# Altium PCB mycarV2.PcbDoc (part 2 of 5) (continued)
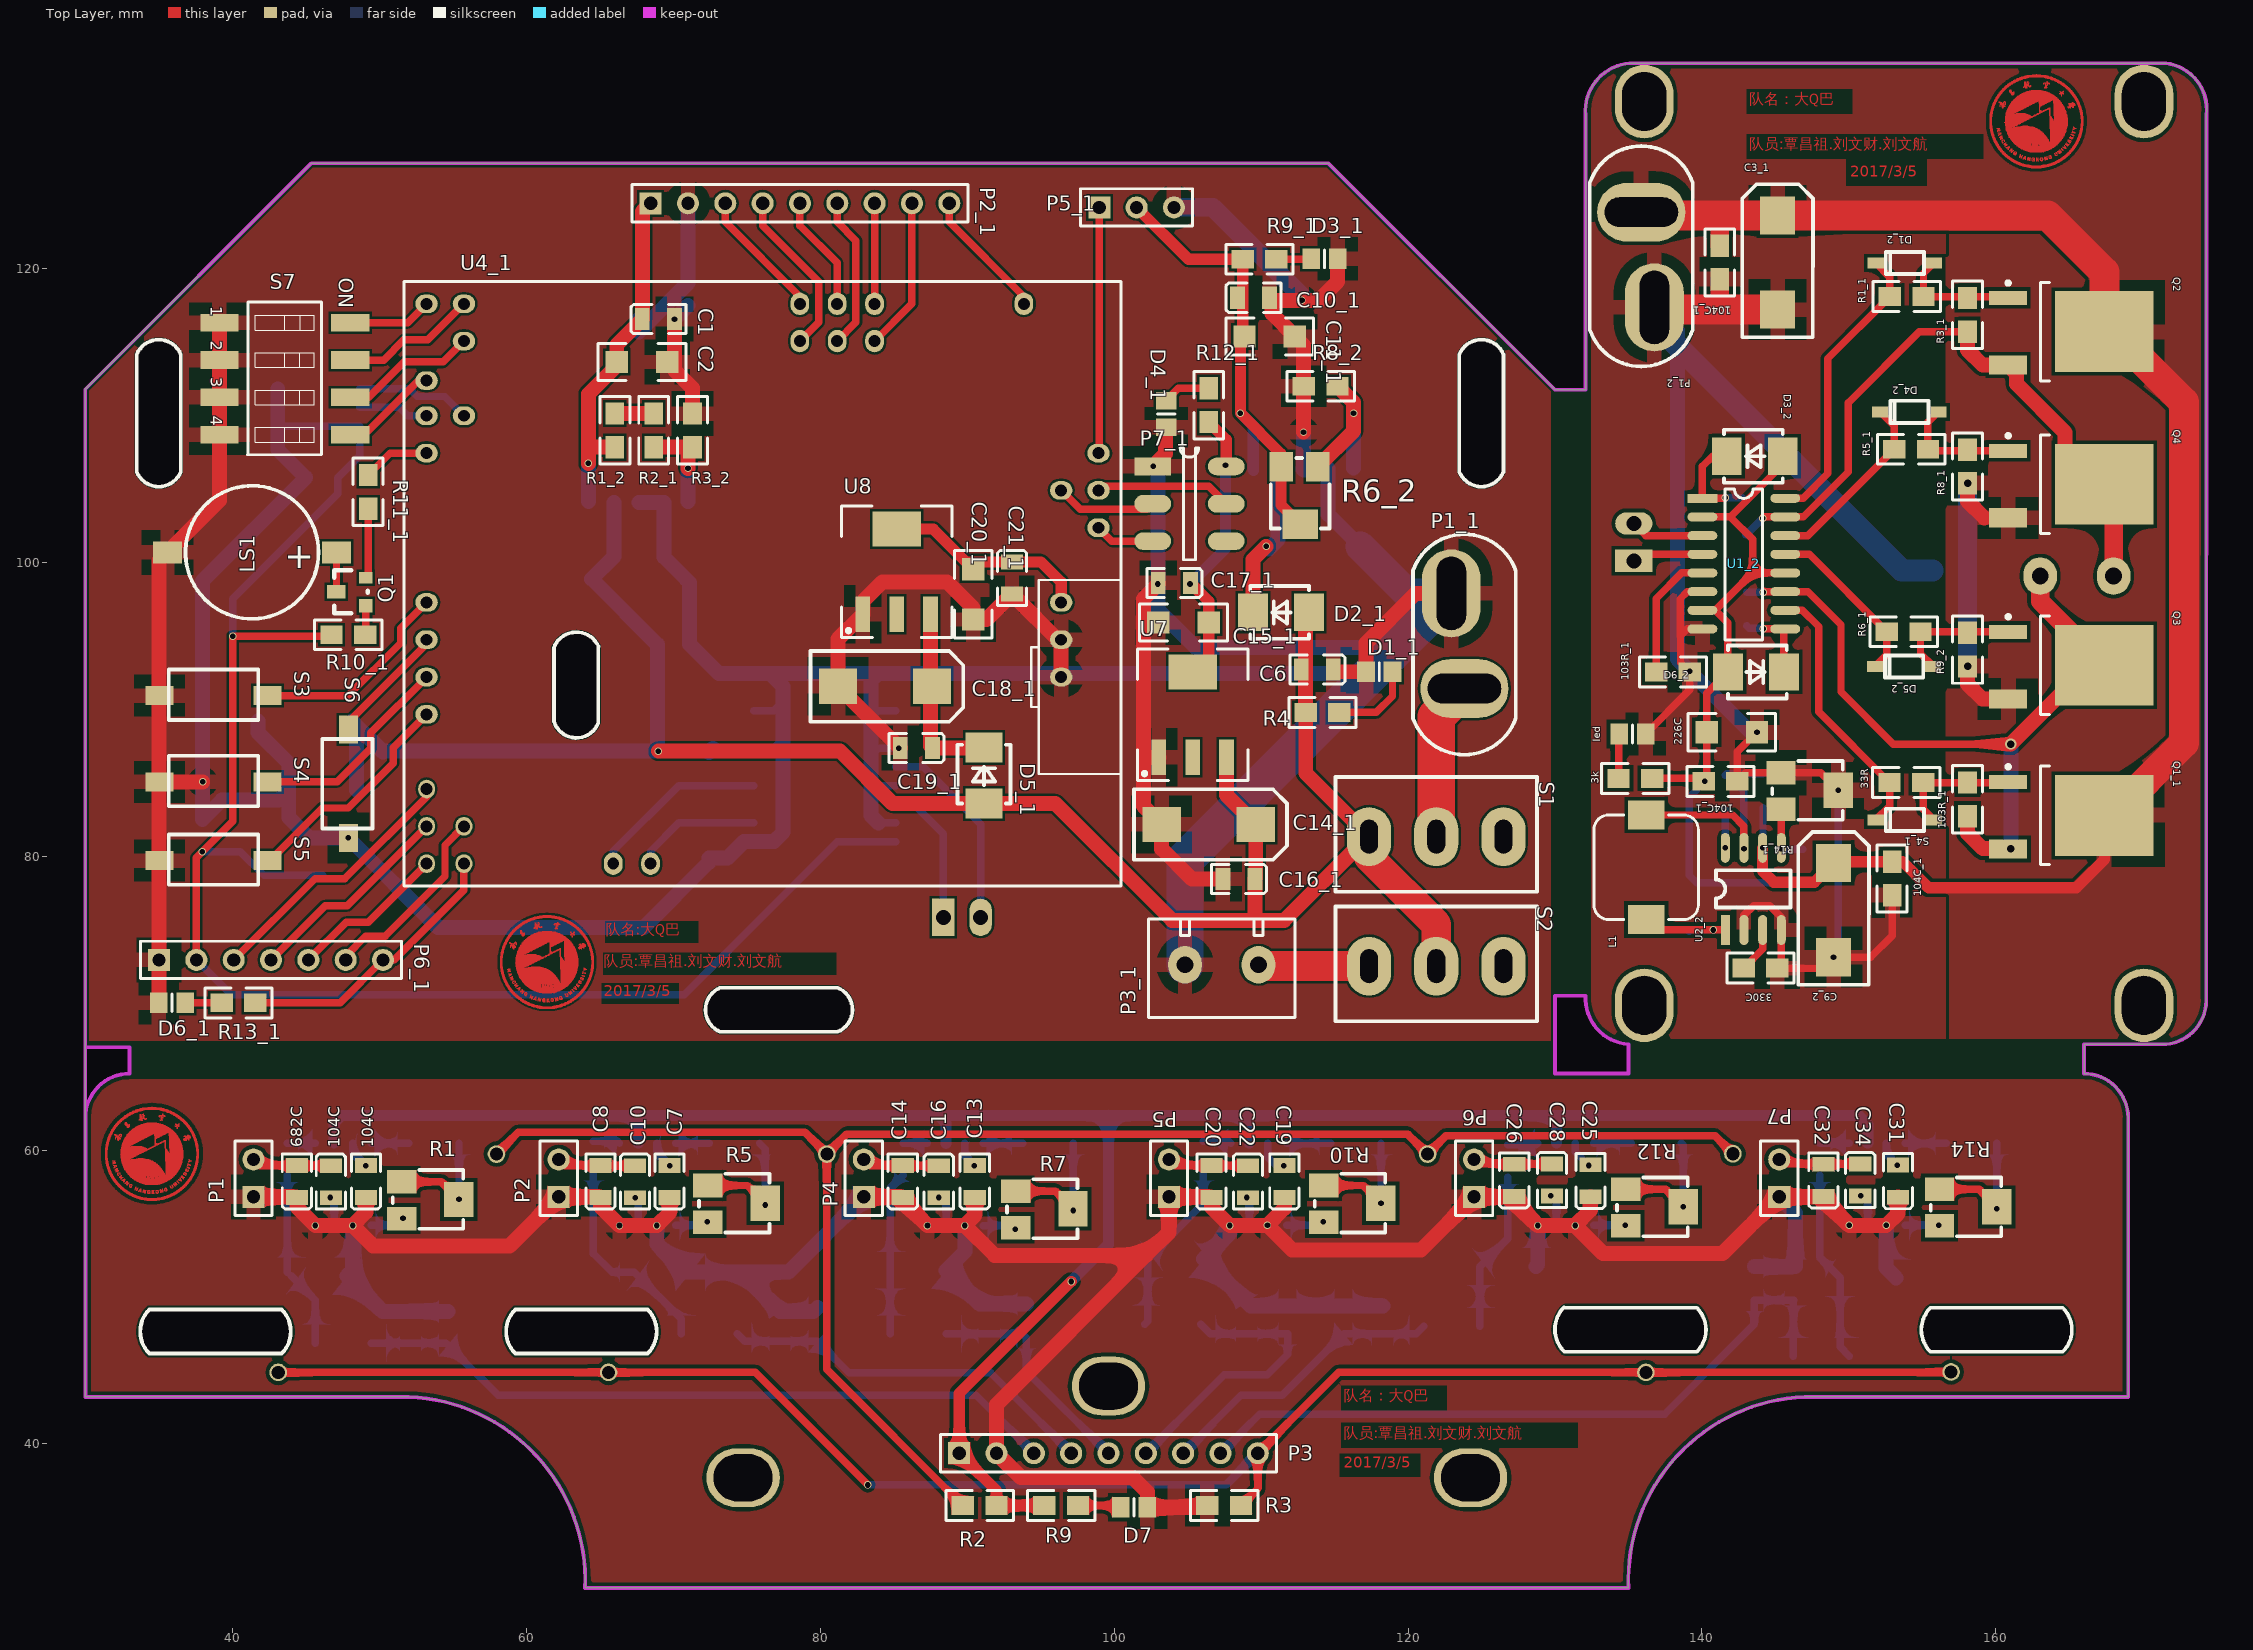
[diagram p0: Top Layer view]
## Nets (pads, with @x,y where several pads share a name; then routed paths per layer and width w, separated by ;. In a path a pad name is that pad's centre, name@x,y a point inside that pad or via, vN(x,y) a via of type N, cw(c..) or ccw(c..) an arc to the next point about the centre after c; other vN are vias at no path point) (continued)
; 34.008,57.173 34.033,57.173 ; 34.008,57.199 34.033,57.199 ; 34.008,62.126 34.16,62.126 ; 34.008,62.152 34.033,62.152 ; 34.008,62.888 35.049,62.888 ; 34.033,61.822 34.998,61.822 ; 34.033,62.101 34.109,62.101 ; 34.059,57.148 34.109,57.148 ; 34.059,57.173 34.109,57.173 ; 34.059,57.199 34.109,57.199 ; 34.059,57.224 34.109,57.224 ; 34.084,57.25 34.135,57.25 ; 34.084,57.275 34.135,57.275 ; 34.084,57.681 34.922,57.681 ; 34.109,62.152 34.186,62.152 ; 34.109,62.177 34.16,62.177 ; 34.186,56.589 34.846,56.589 ; 34.186,57.656 34.846,57.656 ; 34.186,58.088 34.414,58.088 ; 34.186,61.847 34.846,61.847 ; 34.211,57.097 34.262,57.097 ; 34.211,57.123 34.262,57.123 ; 34.211,57.148 34.262,57.148 ; 34.211,57.173 34.236,57.173 ; 34.211,57.199 34.262,57.199 ; 34.211,57.224 34.262,57.224 ; 34.211,58.062 34.363,58.062 ; 34.211,58.113 34.414,58.113 ; 34.211,58.139 34.363,58.139 ; 34.211,58.164 34.313,58.164 ; 34.211,58.189 34.313,58.189 ; 34.211,58.215 34.313,58.215 ; 34.211,58.24 34.313,58.24 ; 34.211,58.266 34.338,58.266 ; 34.236,57.072 34.414,57.072 ; 34.236,57.25 34.389,57.25 ; 34.236,58.037 34.313,58.037 ; 34.236,62.914 34.821,62.914 ; 34.262,57.046 34.389,57.046 ; 34.262,57.275 34.363,57.275 ; 34.262,60.094 34.363,60.094 ; 34.313,57.148 34.414,57.148 ; 34.313,57.173 34.338,57.173 ; 34.313,60.12 34.44,60.12 ; 34.338,57.123 34.414,57.123 ; 34.363,57.097 34.414,57.097 ; 34.363,57.224 34.414,57.224 ; 34.363,58.037 34.567,58.037 ; 34.363,58.189 34.44,58.189 ; 34.363,58.215 34.44,58.215 ; 34.363,58.24 34.44,58.24 ; 34.363,58.266 34.414,58.266 ; 34.363,60.145 34.49,60.145 ; 34.389,60.171 34.516,60.171 ; 34.414,58.139 34.44,58.139 ; 34.414,58.164 34.44,58.164 ; 34.44,58.062 34.643,58.062 ; 34.44,60.196 34.567,60.196 ; 34.465,58.088 34.668,58.088 ; 34.465,58.113 34.668,58.113 ; 34.465,58.266 34.617,58.266 ; 34.49,58.139 34.668,58.139 ; 34.49,58.189 34.567,58.189 ; 34.49,58.24 34.592,58.24 ; 34.516,57.046 34.567,57.046 ; 34.516,57.072 34.567,57.072 ; 34.516,57.097 34.567,57.097 ; 34.516,57.123 34.643,57.123 ; 34.516,57.148 34.617,57.148 ; 34.516,57.173 34.617,57.173 ; 34.516,57.199 34.643,57.199 ; 34.516,57.224 34.567,57.224 ; 34.516,57.25 34.567,57.25 ; 34.516,58.164 34.668,58.164 ; 34.516,58.215 34.567,58.215 ; 34.516,60.221 34.643,60.221 ; 34.516,62.939 34.541,62.939 ; 34.567,60.247 34.694,60.247 ; 34.592,58.189 34.617,58.189 ; 34.592,60.272 34.719,60.272 ; 34.617,57.072 34.668,57.072 ; 34.617,57.097 34.668,57.097 ; 34.617,57.224 34.643,57.224 ; 34.617,57.25 34.668,57.25 ; 34.617,58.215 34.922,58.215 ; 34.617,58.24 34.643,58.24 ; 34.643,57.046 34.694,57.046 ; 34.643,58.037 34.846,58.037 ; 34.643,60.298 34.77,60.298 ; 34.668,58.24 34.897,58.24 ; 34.694,61.009 35.227,61.009 ; 34.694,61.034 35.303,61.034 ; 34.694,61.06 35.354,61.06 ; 34.694,61.085 35.405,61.085 ; 34.694,61.11 35.456,61.11 ; 34.694,61.136 35.506,61.136 ; 34.719,58.062 34.795,58.062 ; 34.719,58.189 34.922,58.189 ; 34.719,60.323 34.821,60.323 ; 34.719,60.348 34.897,60.348 ; 34.719,60.374 34.922,60.374 ; 34.719,60.399 34.973,60.399 ; 34.719,60.425 35.024,60.425 ; 34.719,60.45 34.897,60.45 ; 34.719,60.475 34.821,60.475 ; 34.719,60.501 34.795,60.501 ; 34.719,60.526 34.77,60.526 ; 34.719,60.552 34.77,60.552 ; 34.719,60.577 34.77,60.577 ; 34.719,60.602 34.77,60.602 ; 34.719,60.628 34.77,60.628 ; 34.719,60.653 34.77,60.653 ; 34.719,60.679 34.77,60.679 ; 34.719,60.704 34.77,60.704 ; 34.719,60.729 34.795,60.729 ; 34.719,60.755 34.795,60.755 ; 34.719,60.78 34.795,60.78 ; 34.719,60.806 34.846,60.806 ; 34.719,60.831 34.897,60.831 ; 34.719,60.856 34.948,60.856 ; 34.719,60.882 34.998,60.882 ; 34.719,60.907 35.049,60.907 ; 34.719,60.933 35.1,60.933 ; 34.719,60.958 35.151,60.958 ; 34.719,60.983 35.202,60.983 ; 34.744,58.088 34.821,58.088 ; 34.744,58.113 34.846,58.113 ; 34.744,58.139 34.897,58.139 ; 34.744,58.164 34.897,58.164 ; 34.744,58.266 34.821,58.266 ; 34.77,57.148 34.821,57.148 ; 34.77,57.173 34.821,57.173 ; 34.77,57.199 34.821,57.199 ; 34.795,57.097 34.948,57.097 ; 34.795,57.123 34.846,57.123 ; 34.795,57.224 34.821,57.224 ; 34.795,57.25 34.948,57.25 ; 34.821,57.275 34.948,57.275 ; 34.846,57.072 34.922,57.072 ; 34.846,58.062 34.897,58.062 ; 34.846,62.761 35.557,62.761 ; 34.871,56.742 35.557,56.742 ; 34.871,57.656 34.897,57.656 ; 34.871,58.037 34.922,58.037 ; 34.871,58.088 34.948,58.088 ; 34.897,58.113 35.862,58.113 ; 34.922,57.123 34.973,57.123 ; 34.922,57.148 34.998,57.148 ; 34.922,57.173 34.998,57.173 ; 34.922,57.199 34.998,57.199 ; 34.922,57.224 34.973,57.224 ; 34.922,58.139 35.938,58.139 ; 34.948,58.164 35.938,58.164 ; 34.948,58.266 35.456,58.266 ; 34.948,60.45 35.1,60.45 ; 34.973,56.767 35.608,56.767 ; 34.973,58.037 35.76,58.037 ; 34.973,58.189 35.964,58.189 ; 34.973,58.215 35.989,58.215 ; 34.973,58.24 36.014,58.24 ; 34.998,57.656 35.024,57.656 ; 34.998,58.062 35.811,58.062 ; 34.998,58.088 35.862,58.088 ; 34.998,60.475 35.125,60.475 ; 34.998,62.304 35.075,62.304 ; 34.998,62.33 35.075,62.33 ; 35.024,62.279 35.049,62.279 ; 35.024,62.355 35.1,62.355 ; 35.049,57.275 35.176,57.275 ; 35.049,57.3 35.151,57.3 ; 35.049,60.501 35.176,60.501 ; 35.049,62.05 35.252,62.05 ; 35.049,62.38 35.329,62.38 ; 35.049,62.736 35.633,62.736 ; 35.075,57.224 35.125,57.224 ; 35.075,57.25 35.202,57.25 ; 35.075,62.025 35.125,62.025 ; 35.1,57.123 35.151,57.123 ; 35.1,57.148 35.151,57.148 ; 35.1,57.173 35.125,57.173 ; 35.1,57.199 35.125,57.199 ; 35.1,57.326 35.125,57.326 ; 35.1,60.526 35.227,60.526 ; 35.1,62.076 35.202,62.076 ; 35.125,62.152 35.227,62.152 ; 35.125,62.228 35.151,62.228 ; 35.125,62.253 35.176,62.253 ; 35.125,62.279 35.176,62.279 ; 35.125,62.711 35.684,62.711 ; 35.151,56.792 35.684,56.792 ; 35.151,57.224 35.303,57.224 ; 35.151,60.552 35.303,60.552 ; 35.151,62.101 35.227,62.101 ; 35.151,62.126 35.227,62.126 ; 35.151,62.177 35.202,62.177 ; 35.151,62.304 35.176,62.304 ; 35.151,62.33 35.176,62.33 ; 35.176,62.025 35.227,62.025 ; 35.202,57.173 35.303,57.173 ; 35.202,57.199 35.227,57.199 ; 35.202,60.577 35.329,60.577 ; 35.202,62.203 35.278,62.203 ; 35.227,57.148 35.303,57.148 ; 35.227,57.25 35.278,57.25 ; 35.227,57.275 35.278,57.275 ; 35.227,57.3 35.252,57.3 ; 35.227,57.326 35.252,57.326 ; 35.227,57.351 35.252,57.351 ; 35.227,62.228 35.303,62.228 ; 35.227,62.253 35.278,62.253 ; 35.227,62.279 35.278,62.279 ; 35.227,62.355 35.278,62.355 ; 35.227,62.406 35.303,62.406 ; 35.227,62.431 35.303,62.431 ; 35.227,62.457 35.278,62.457 ; 35.252,56.818 35.76,56.818 ; 35.252,57.199 35.303,57.199 ; 35.252,60.602 35.379,60.602 ; 35.252,62.304 35.303,62.304 ; 35.252,62.33 35.43,62.33 ; 35.252,62.685 35.735,62.685 ; 35.303,60.628 35.456,60.628 ; 35.303,62.355 35.405,62.355 ; 35.354,56.843 35.811,56.843 ; 35.354,57.25 35.43,57.25 ; 35.354,57.275 35.43,57.275 ; 35.354,57.3 35.405,57.3 ; 35.354,57.326 35.405,57.326 ; 35.354,57.351 35.405,57.351 ; 35.354,57.377 35.405,57.377 ; 35.354,60.653 35.456,60.653 ; 35.354,62.304 35.43,62.304 ; 35.354,62.66 35.811,62.66 ; 35.379,57.402 35.532,57.402 ; 35.405,57.224 35.532,57.224 ; 35.405,60.145 35.456,60.145 ; 35.405,60.196 35.456,60.196 ; 35.405,60.221 35.456,60.221 ; 35.405,60.247 35.456,60.247 ; 35.405,60.272 35.456,60.272 ; 35.405,60.298 35.456,60.298 ; 35.405,60.323 35.456,60.323 ; 35.405,60.348 35.456,60.348 ; 35.405,60.374 35.456,60.374 ; 35.405,60.399 35.456,60.399 ; 35.405,60.425 35.456,60.425 ; 35.405,60.45 35.456,60.45 ; 35.405,60.475 35.456,60.475 ; 35.405,60.501 35.456,60.501 ; 35.405,60.526 35.456,60.526 ; 35.405,60.552 35.456,60.552 ; 35.405,60.577 35.456,60.577 ; 35.405,60.602 35.456,60.602 ; 35.405,60.679 35.456,60.679 ; 35.43,56.869 35.837,56.869 ; 35.43,57.427 35.506,57.427 ; 35.43,59.282 36.599,59.282 ; 35.43,59.307 36.599,59.307 ; 35.43,59.332 36.599,59.332 ; 35.43,59.358 36.624,59.358 ; 35.43,59.383 36.624,59.383 ; 35.43,59.409 36.624,59.409 ; 35.43,59.434 36.624,59.434 ; 35.43,59.459 36.624,59.459 ; 35.43,59.485 36.649,59.485 ; 35.43,59.51 36.649,59.51 ; 35.43,59.536 36.624,59.536 ; 35.43,59.561 36.649,59.561 ; 35.43,59.586 36.649,59.586 ; 35.43,59.612 36.649,59.612 ; 35.43,59.637 36.649,59.637 ; 35.43,59.663 36.649,59.663 ; 35.43,59.688 36.649,59.688 ; 35.43,59.713 36.649,59.713 ; 35.43,59.739 36.649,59.739 ; 35.43,59.764 36.649,59.764 ; 35.43,59.79 35.71,59.79 ; 35.43,59.815 35.684,59.815 ; 35.43,59.84 35.659,59.84 ; 35.43,59.866 35.659,59.866 ; 35.43,59.891 35.633,59.891 ; 35.43,59.917 35.633,59.917 ; 35.43,59.942 35.608,59.942 ; 35.43,59.967 35.583,59.967 ; 35.43,59.993 35.557,59.993 ; 35.43,60.018 35.557,60.018 ; 35.43,60.044 35.532,60.044 ; 35.43,60.069 35.532,60.069 ; 35.43,60.094 35.506,60.094 ; 35.43,60.12 35.481,60.12 ; 35.43,60.171 35.456,60.171 ; 35.456,57.326 35.557,57.326 ; 35.456,58.291 36.065,58.291 ; 35.456,58.367 36.141,58.367 ; 35.456,58.393 36.167,58.393 ; 35.456,58.418 36.167,58.418 ; 35.456,58.443 36.192,58.443 ; 35.456,58.469 36.218,58.469 ; 35.456,58.494 36.243,58.494 ; 35.456,58.52 36.243,58.52 ; 35.456,58.545 36.268,58.545 ; 35.456,58.57 36.294,58.57 ; 35.456,58.596 36.319,58.596 ; 35.456,58.621 36.319,58.621 ; 35.456,58.647 36.345,58.647 ; 35.456,58.672 36.345,58.672 ; 35.456,58.697 36.37,58.697 ; 35.456,58.723 36.37,58.723 ; 35.456,58.748 36.395,58.748 ; 35.456,58.774 36.421,58.774 ; 35.456,58.799 36.421,58.799 ; 35.456,58.824 36.446,58.824 ; 35.456,58.85 36.446,58.85 ; 35.456,58.875 36.446,58.875 ; 35.456,58.901 36.472,58.901 ; 35.456,58.926 36.472,58.926 ; 35.456,58.951 36.472,58.951 ; 35.456,58.977 36.497,58.977 ; 35.456,59.002 36.522,59.002 ; 35.456,59.028 36.522,59.028 ; 35.456,59.053 36.548,59.053 ; 35.456,59.078 36.548,59.078 ; 35.456,59.104 36.548,59.104 ; 35.456,59.129 36.548,59.129 ; 35.456,59.155 36.548,59.155 ; 35.456,59.18 36.573,59.18 ; 35.456,59.205 36.573,59.205 ; 35.456,59.231 36.573,59.231 ; 35.456,59.256 36.573,59.256 ; 35.456,62.634 35.862,62.634 ; 35.481,58.266 36.04,58.266 ; 35.481,58.316 36.065,58.316 ; 35.481,58.342 36.116,58.342 ; 35.506,56.894 35.913,56.894 ; 35.506,57.25 35.583,57.25 ; 35.506,57.351 35.532,57.351 ; 35.506,62.609 35.913,62.609 ; 35.532,57.275 35.583,57.275 ; 35.532,57.3 35.557,57.3 ; 35.583,56.919 35.964,56.919 ; 35.583,62.584 35.964,62.584 ; 35.659,56.945 36.014,56.945 ; 35.659,62.558 36.014,62.558 ; 35.684,61.009 36.243,61.009 ; 35.684,61.034 36.218,61.034 ; 35.684,61.06 36.192,61.06 ; 35.684,61.085 36.167,61.085 ; 35.684,61.11 36.167,61.11 ; 35.684,61.136 36.141,61.136 ; 35.684,61.161 36.116,61.161 ; 35.684,61.187 36.091,61.187 ; 35.684,61.212 36.065,61.212 ; 35.71,56.97 36.065,56.97 ; 35.71,60.145 36.624,60.145 ; 35.71,60.171 36.624,60.171 ; 35.71,60.196 36.599,60.196 ; 35.71,60.221 36.599,60.221 ; 35.71,60.247 36.573,60.247 ; 35.71,60.272 36.573,60.272 ; 35.71,60.298 36.573,60.298 ; 35.71,60.323 36.573,60.323 ; 35.71,60.348 36.548,60.348 ; 35.71,60.374 36.548,60.374 ; 35.71,60.399 36.548,60.399 ; 35.71,60.425 36.548,60.425 ; 35.71,60.45 36.522,60.45 ; 35.71,60.475 36.522,60.475 ; 35.71,60.501 36.522,60.501 ; 35.71,60.526 36.497,60.526 ; 35.71,60.552 36.472,60.552 ; 35.71,60.577 36.472,60.577 ; 35.71,60.602 36.472,60.602 ; 35.71,60.628 36.446,60.628 ; 35.71,60.653 36.446,60.653 ; 35.71,60.679 36.446,60.679 ; 35.71,60.704 36.421,60.704 ; 35.71,60.729 36.421,60.729 ; 35.71,60.755 36.395,60.755 ; 35.71,60.78 36.37,60.78 ; 35.71,60.806 36.37,60.806 ; 35.71,60.831 36.345,60.831 ; 35.71,60.856 36.319,60.856 ; 35.71,60.882 36.319,60.882 ; 35.71,60.907 36.319,60.907 ; 35.71,60.933 36.268,60.933 ; 35.71,60.958 36.268,60.958 ; 35.71,60.983 36.243,60.983 ; 35.735,57.554 35.786,57.554 ; 35.735,57.58 35.786,57.58 ; 35.735,59.79 36.649,59.79 ; 35.735,59.815 36.649,59.815 ; 35.735,59.84 36.649,59.84 ; 35.735,59.866 36.649,59.866 ; 35.735,59.891 36.649,59.891 ; 35.735,59.917 36.649,59.917 ; 35.735,59.942 36.649,59.942 ; 35.735,59.967 36.649,59.967 ; 35.735,59.993 36.649,59.993 ; 35.735,60.018 36.624,60.018 ; 35.735,60.044 36.624,60.044 ; 35.735,60.069 36.624,60.069 ; 35.735,60.094 36.624,60.094 ; 35.735,60.12 36.624,60.12 ; 35.735,62.533 36.065,62.533 ; 35.76,56.996 36.116,56.996 ; 35.76,57.504 35.811,57.504 ; 35.76,57.529 35.811,57.529 ; 35.76,62.507 36.116,62.507 ; 35.786,57.453 35.837,57.453 ; 35.786,57.478 35.837,57.478 ; 35.811,57.021 36.167,57.021 ; 35.811,57.427 35.938,57.427 ; 35.837,62.482 36.141,62.482 ; 35.862,57.605 35.938,57.605 ; 35.862,57.631 35.913,57.631 ; 35.887,57.046 36.192,57.046 ; 35.887,57.58 35.938,57.58 ; 35.887,62.457 36.192,62.457 ; 35.913,57.072 36.218,57.072 ; 35.913,57.529 35.964,57.529 ; 35.913,57.554 35.964,57.554 ; 35.938,57.453 35.964,57.453 ; 35.938,57.478 35.964,57.478 ; 35.938,57.504 35.964,57.504 ; 35.938,62.431 36.243,62.431 ; 35.964,57.097 36.268,57.097 ; 35.964,57.707 36.116,57.707 ; 35.964,62.406 36.268,62.406 ; 35.989,57.681 36.04,57.681 ; 36.014,57.123 36.319,57.123 ; 36.014,57.656 36.065,57.656 ; 36.014,57.732 36.04,57.732 ; 36.014,62.38 36.319,62.38 ; 36.04,57.605 36.116,57.605 ; 36.04,57.631 36.091,57.631 ; 36.065,57.148 36.345,57.148 ; 36.065,57.58 36.141,57.58 ; 36.065,57.681 36.243,57.681 ; 36.065,62.355 36.345,62.355 ; 36.091,57.173 36.37,57.173 ; 36.091,57.554 36.141,57.554 ; 36.091,57.808 36.141,57.808 ; 36.091,61.644 36.243,61.644 ; 36.116,57.656 36.243,57.656 ; 36.116,57.758 36.167,57.758 ; 36.116,57.783 36.167,57.783 ; 36.116,61.618 36.218,61.618 ; 36.116,61.771 36.167,61.771 ; 36.116,61.796 36.167,61.796 ; 36.116,62.33 36.395,62.33 ; 36.141,57.199 36.421,57.199 ; 36.141,57.732 36.218,57.732 ; 36.141,61.745 36.218,61.745 ; 36.141,62.304 36.421,62.304 ; 36.167,57.631 36.218,57.631 ; 36.167,57.707 36.218,57.707 ; 36.167,61.669 36.37,61.669 ; 36.167,61.72 36.345,61.72 ; 36.167,62.279 36.446,62.279 ; 36.192,57.224 36.446,57.224 ; 36.218,57.25 36.497,57.25 ; 36.218,57.885 36.268,57.885 ; 36.218,57.91 36.268,57.91 ; 36.218,61.466 36.268,61.466 ; 36.218,61.491 36.268,61.491 ; 36.218,61.517 36.268,61.517 ; 36.218,61.542 36.268,61.542 ; 36.218,61.568 36.243,61.568 ; 36.218,61.593 36.243,61.593 ; 36.218,61.695 36.345,61.695 ; 36.218,62.253 36.472,62.253 ; 36.243,57.275 36.522,57.275 ; 36.243,57.859 36.294,57.859 ; 36.268,57.834 36.319,57.834 ; 36.268,62.228 36.522,62.228 ; 36.294,57.3 36.548,57.3 ; 36.294,57.808 36.345,57.808 ; 36.294,61.644 36.395,61.644 ; 36.294,61.745 36.37,61.745 ; 36.294,62.203 36.548,62.203 ; 36.319,57.326 36.573,57.326 ; 36.319,57.758 36.37,57.758 ; 36.319,57.783 36.37,57.783 ; 36.319,57.986 36.37,57.986 ; 36.319,58.012 36.345,58.012 ; 36.319,61.618 36.395,61.618 ; 36.319,61.771 36.395,61.771 ; 36.319,62.177 36.573,62.177 ; 36.345,57.961 36.446,57.961 ; 36.345,61.796 36.395,61.796 ; 36.345,61.822 36.37,61.822 ; 36.37,57.351 36.624,57.351 ; 36.37,62.152 36.599,62.152 ; 36.395,57.377 36.624,57.377 ; 36.395,57.935 36.548,57.935 ; 36.395,62.126 36.649,62.126 ; 36.421,57.402 36.675,57.402 ; 36.421,58.062 36.472,58.062 ; 36.421,58.088 36.472,58.088 ; 36.421,58.113 36.446,58.113 ; 36.446,57.427 36.7,57.427 ; 36.446,58.037 36.497,58.037 ; 36.446,62.076 36.675,62.076 ; 36.446,62.101 36.675,62.101 ; 36.472,57.91 36.548,57.91 ; 36.472,57.961 36.522,57.961 ; 36.472,57.986 36.522,57.986 ; 36.472,58.012 36.522,58.012 ; 36.497,57.453 36.726,57.453 ; 36.497,58.189 36.573,58.189 ; 36.497,62.05 36.726,62.05 ; 36.522,57.478 36.751,57.478 ; 36.522,58.164 36.624,58.164 ; 36.522,58.215 36.548,58.215 ; 36.522,58.24 36.573,58.24 ; 36.522,62.025 36.751,62.025 ; 36.548,57.504 36.776,57.504 ; 36.548,58.266 36.599,58.266 ; 36.548,61.999 36.776,61.999 ; 36.573,57.529 36.802,57.529 ; 36.573,58.139 36.649,58.139 ; 36.573,58.291 36.599,58.291 ; 36.573,61.974 36.802,61.974 ; 36.599,58.113 36.7,58.113 ; 36.599,58.189 36.649,58.189 ; 36.599,61.949 36.827,61.949 ; 36.624,57.554 36.827,57.554 ; 36.624,57.58 36.853,57.58 ; 36.624,58.088 36.675,58.088 ; 36.624,58.215 36.649,58.215 ; 36.649,57.605 36.878,57.605 ; 36.649,58.062 36.675,58.062 ; 36.649,58.367 36.776,58.367 ; 36.649,58.393 36.7,58.393 ; 36.649,58.418 36.7,58.418 ; 36.649,60.729 36.7,60.729 ; 36.649,60.755 36.675,60.755 ; 36.649,61.898 36.878,61.898 ; 36.649,61.923 36.853,61.923 ; 36.675,57.631 36.878,57.631 ; 36.675,58.139 36.726,58.139 ; 36.675,58.443 36.726,58.443 ; 36.675,58.469 36.776,58.469 ; 36.675,60.704 36.878,60.704 ; 36.675,61.872 36.878,61.872 ; 36.7,58.164 36.751,58.164 ; 36.7,58.342 36.802,58.342 ; 36.7,60.679 36.776,60.679 ; 36.7,60.933 36.98,60.933 ; 36.726,57.656 36.929,57.656 ; 36.726,57.681 36.929,57.681 ; 36.726,58.494 36.776,58.494 ; 36.726,60.653 36.751,60.653 ; 36.726,60.78 36.776,60.78 ; 36.726,60.806 36.751,60.806 ; 36.726,60.958 36.827,60.958 ; 36.726,61.822 36.954,61.822 ; 36.726,61.847 36.929,61.847 ; 36.751,57.707 36.954,57.707 ; 36.751,58.316 36.853,58.316 ; 36.751,58.393 36.776,58.393 ; 36.751,58.418 36.903,58.418 ; 36.751,58.443 36.853,58.443 ; 36.751,60.729 36.853,60.729 ; 36.751,60.755 36.929,60.755 ; 36.751,60.983 36.827,60.983 ; 36.751,61.796 36.954,61.796 ; 36.776,57.732 36.98,57.732 ; 36.776,58.291 36.827,58.291 ; 36.776,58.647 36.827,58.647 ; 36.776,60.831 36.878,60.831 ; 36.776,60.856 36.853,60.856 ; 36.776,61.771 36.98,61.771 ; 36.802,57.758 37.005,57.758 ; 36.802,58.596 36.903,58.596 ; 36.802,58.621 36.929,58.621 ; 36.802,58.672 36.827,58.672 ; 36.802,60.78 37.056,60.78 ; 36.802,61.745 37.005,61.745 ; 36.827,57.783 37.03,57.783 ; 36.827,58.697 36.878,58.697 ; 36.827,58.723 36.878,58.723 ; 36.827,60.679 36.878,60.679 ; 36.827,61.72 37.03,61.72 ; 36.853,57.808 37.03,57.808 ; 36.853,57.834 37.056,57.834 ; 36.853,58.393 36.903,58.393 ; 36.853,60.653 36.878,60.653 ; 36.853,60.806 36.929,60.806 ; 36.853,60.907 37.107,60.907 ; 36.853,61.669 37.056,61.669 ; 36.853,61.695 37.056,61.695 ; 36.878,57.859 37.081,57.859 ; 36.878,58.647 37.03,58.647 ; 36.878,58.85 36.98,58.85 ; 36.878,60.882 37.005,60.882 ; 36.878,60.958 37.132,60.958 ; 36.878,60.983 36.929,60.983 ; 36.878,61.644 37.081,61.644 ; 36.903,57.885 37.107,57.885 ; 36.903,58.545 36.98,58.545 ; 36.903,58.672 37.005,58.672 ; 36.903,60.856 37.157,60.856 ; 36.903,61.618 37.107,61.618 ; 36.929,57.91 37.132,57.91 ; 36.929,58.57 37.005,58.57 ; 36.929,58.824 37.056,58.824 ; 36.929,58.977 36.954,58.977 ; 36.929,59.002 37.157,59.002 ; 36.929,60.831 37.157,60.831 ; 36.929,61.009 36.98,61.009 ; 36.929,61.593 37.132,61.593 ; 36.954,57.935 37.132,57.935 ; 36.954,57.961 37.157,57.961 ; 36.954,58.799 37.107,58.799 ; 36.954,59.028 37.107,59.028 ; 36.954,59.053 36.98,59.053 ; 36.954,59.078 36.98,59.078 ; 36.954,59.104 37.005,59.104 ; 36.954,60.755 37.056,60.755 ; 36.954,60.806 37.03,60.806 ; 36.954,60.983 37.056,60.983 ; 36.954,61.034 37.005,61.034 ; 36.954,61.542 37.157,61.542 ; 36.954,61.568 37.132,61.568 ; 36.98,57.986 37.183,57.986 ; 36.98,58.012 37.208,58.012 ; 36.98,58.596 37.005,58.596 ; 36.98,58.621 37.03,58.621 ; 36.98,60.704 37.056,60.704 ; 36.98,60.729 37.056,60.729 ; 36.98,61.517 37.183,61.517 ; 37.005,59.205 37.056,59.205 ; 37.005,59.231 37.132,59.231 ; 37.005,61.009 37.056,61.009 ; 37.005,61.491 37.208,61.491 ; 37.03,58.037 37.208,58.037 ; 37.03,58.062 37.234,58.062 ; 37.03,58.774 37.081,58.774 ; 37.03,59.332 37.107,59.332 ; 37.03,59.358 37.056,59.358 ; 37.03,60.933 37.132,60.933 ; 37.03,61.441 37.234,61.441 ; 37.03,61.466 37.208,61.466 ; 37.056,58.088 37.234,58.088 ; 37.056,58.113 37.259,58.113 ; 37.056,59.256 37.234,59.256 ; 37.056,59.307 37.132,59.307 ; 37.056,60.882 37.107,60.882 ; 37.056,61.415 37.234,61.415 ; 37.081,58.977 37.157,58.977 ; 37.081,61.364 37.259,61.364 ; 37.081,61.39 37.259,61.39 ; 37.107,58.139 37.259,58.139 ; 37.107,58.164 37.284,58.164 ; 37.107,59.282 37.157,59.282 ; 37.107,61.339 37.284,61.339 ; 37.132,58.189 37.31,58.189 ; 37.132,58.215 37.31,58.215 ; 37.132,60.907 37.157,60.907 ; 37.132,61.288 37.31,61.288 ; 37.132,61.314 37.31,61.314 ; 37.157,58.24 37.335,58.24 ; 37.157,58.266 37.335,58.266 ; 37.157,61.237 37.335,61.237 ; 37.157,61.263 37.335,61.263 ; 37.183,58.291 37.361,58.291 ; 37.183,61.212 37.361,61.212 ; 37.208,58.316 37.361,58.316 ; 37.208,58.342 37.361,58.342 ; 37.208,61.161 37.386,61.161 ; 37.208,61.187 37.361,61.187 ; 37.234,58.367 37.411,58.367 ; 37.234,58.393 37.411,58.393 ; 37.234,58.418 37.411,58.418 ; 37.234,61.11 37.411,61.11 ; 37.234,61.136 37.411,61.136 ; 37.259,58.443 37.437,58.443 ; 37.259,58.469 37.437,58.469 ; 37.259,61.034 37.437,61.034 ; 37.259,61.06 37.437,61.06 ; 37.259,61.085 37.411,61.085 ; 37.284,58.494 37.462,58.494 ; 37.284,61.009 37.462,61.009 ; 37.31,58.52 37.462,58.52 ; 37.31,58.545 37.462,58.545 ; 37.31,58.57 37.488,58.57 ; 37.31,60.933 37.488,60.933 ; 37.31,60.958 37.462,60.958 ; 37.31,60.983 37.462,60.983 ; 37.335,58.596 37.488,58.596 ; 37.335,58.621 37.513,58.621 ; 37.335,58.647 37.513,58.647 ; 37.335,60.856 37.513,60.856 ; 37.335,60.882 37.513,60.882 ; 37.335,60.907 37.488,60.907 ; 37.361,58.672 37.538,58.672 ; 37.361,58.697 37.538,58.697 ; 37.361,58.723 37.538,58.723 ; 37.361,60.806 37.538,60.806 ; 37.361,60.831 37.513,60.831 ; 37.386,58.748 37.538,58.748 ; 37.386,60.755 37.538,60.755 ; 37.386,60.78 37.538,60.78 ; 37.411,58.774 37.564,58.774 ; 37.411,58.799 37.564,58.799 ; 37.411,58.824 37.564,58.824 ; 37.411,58.85 37.564,58.85 ; 37.411,60.653 37.564,60.653 ; 37.411,60.679 37.564,60.679 ; 37.411,60.704 37.564,60.704 ; 37.411,60.729 37.564,60.729 ; 37.437,58.875 37.589,58.875 ; 37.437,58.901 37.615,58.901 ; 37.437,58.926 37.615,58.926 ; 37.437,58.951 37.615,58.951 ; 37.437,60.552 37.615,60.552 ; 37.437,60.577 37.615,60.577 ; 37.437,60.602 37.615,60.602 ; 37.437,60.628 37.589,60.628 ; 37.462,58.977 37.615,58.977 ; 37.462,59.002 37.615,59.002 ; 37.462,59.028 37.64,59.028 ; 37.462,59.053 37.64,59.053 ; 37.462,60.45 37.64,60.45 ; 37.462,60.475 37.64,60.475 ; 37.462,60.501 37.615,60.501 ; 37.462,60.526 37.615,60.526 ; 37.488,59.078 37.64,59.078 ; 37.488,59.104 37.64,59.104 ; 37.488,59.129 37.64,59.129 ; 37.488,60.374 37.64,60.374 ; 37.488,60.399 37.64,60.399 ; 37.488,60.425 37.64,60.425 ; 37.513,59.155 37.665,59.155 ; 37.513,59.18 37.665,59.18 ; 37.513,59.205 37.665,59.205 ; 37.513,59.231 37.665,59.231 ; 37.513,59.256 37.665,59.256 ; 37.513,59.282 37.665,59.282 ; 37.513,60.221 37.665,60.221 ; 37.513,60.247 37.665,60.247 ; 37.513,60.272 37.665,60.272 ; 37.513,60.298 37.665,60.298 ; 37.513,60.323 37.665,60.323 ; 37.513,60.348 37.665,60.348 ; 37.538,59.307 37.665,59.307 ; 37.538,59.332 37.691,59.332 ; 37.538,59.358 37.691,59.358 ; 37.538,59.383 37.691,59.383 ; 37.538,59.409 37.691,59.409 ; 37.538,59.434 37.691,59.434 ; 37.538,59.459 37.716,59.459 ; 37.538,59.485 37.716,59.485 ; 37.538,59.51 37.716,59.51 ; 37.538,59.536 37.716,59.536 ; 37.538,59.561 37.716,59.561 ; 37.538,59.942 37.716,59.942 ; 37.538,59.967 37.716,59.967 ; 37.538,59.993 37.716,59.993 ; 37.538,60.018 37.716,60.018 ; 37.538,60.044 37.716,60.044 ; 37.538,60.069 37.716,60.069 ; 37.538,60.094 37.691,60.094 ; 37.538,60.12 37.691,60.12 ; 37.538,60.145 37.691,60.145 ; 37.538,60.171 37.691,60.171 ; 37.538,60.196 37.665,60.196 ; 37.564,59.586 37.716,59.586 ; 37.564,59.612 37.716,59.612 ; 37.564,59.637 37.716,59.637 ; 37.564,59.663 37.716,59.663 ; 37.564,59.688 37.716,59.688 ; 37.564,59.713 37.716,59.713 ; 37.564,59.739 37.716,59.739 ; 37.564,59.764 37.716,59.764 ; 37.564,59.79 37.716,59.79 ; 37.564,59.815 37.716,59.815 ; 37.564,59.84 37.716,59.84 ; 37.564,59.866 37.716,59.866 ; 37.564,59.891 37.716,59.891 ; 37.564,59.917 37.716,59.917 ; 58.225,72.404 58.403,72.404 ; 58.225,72.429 58.403,72.429 ; 58.225,72.455 58.403,72.455 ; 58.225,72.48 58.403,72.48 ; 58.225,72.505 58.377,72.505 ; 58.225,72.531 58.377,72.531 ; 58.225,72.556 58.377,72.556 ; 58.225,72.582 58.377,72.582 ; 58.225,72.607 58.377,72.607 ; 58.225,72.632 58.377,72.632 ; 58.225,72.658 58.377,72.658 ; 58.225,72.683 58.377,72.683 ; 58.225,72.709 58.377,72.709 ; 58.225,72.734 58.377,72.734 ; 58.225,72.759 58.377,72.759 ; 58.225,72.785 58.377,72.785 ; 58.225,72.81 58.377,72.81 ; 58.225,72.836 58.377,72.836 ; 58.225,72.861 58.377,72.861 ; 58.225,72.886 58.377,72.886 ; 58.225,72.912 58.377,72.912 ; 58.225,72.937 58.377,72.937 ; 58.225,72.963 58.377,72.963 ; 58.225,72.988 58.377,72.988 ; 58.225,73.013 58.377,73.013 ; 58.225,73.039 58.377,73.039 ; 58.225,73.064 58.377,73.064 ; 58.225,73.09 58.377,73.09 ; 58.225,73.115 58.403,73.115 ; 58.225,73.14 58.403,73.14 ; 58.225,73.166 58.403,73.166 ; 58.225,73.191 58.403,73.191 ; 58.25,72.302 58.403,72.302 ; 58.25,72.328 58.403,72.328 ; 58.25,72.353 58.403,72.353 ; 58.25,72.378 58.403,72.378 ; 58.25,73.217 58.403,73.217 ; 58.25,73.242 58.403,73.242 ; 58.25,73.267 58.403,73.267 ; 58.25,73.293 58.403,73.293 ; 58.276,72.15 58.428,72.15 ; 58.276,72.175 58.428,72.175 ; 58.276,72.201 58.428,72.201 ; 58.276,72.226 58.428,72.226 ; 58.276,72.251 58.428,72.251 ; 58.276,72.277 58.428,72.277 ; 58.276,73.318 58.403,73.318 ; 58.276,73.344 58.428,73.344 ; 58.276,73.369 58.428,73.369 ; 58.276,73.394 58.428,73.394 ; 58.276,73.42 58.428,73.42 ; 58.276,73.445 58.428,73.445 ; 58.301,72.023 58.479,72.023 ; 58.301,72.048 58.479,72.048 ; 58.301,72.074 58.479,72.074 ; 58.301,72.099 58.453,72.099 ; 58.301,72.124 58.453,72.124 ; 58.301,73.471 58.453,73.471 ; 58.301,73.496 58.453,73.496 ; 58.301,73.521 58.453,73.521 ; 58.301,73.547 58.479,73.547 ; 58.301,73.572 58.479,73.572 ; 58.326,71.921 58.504,71.921 ; 58.326,71.947 58.504,71.947 ; 58.326,71.972 58.479,71.972 ; 58.326,71.997 58.479,71.997 ; 58.326,73.598 58.479,73.598 ; 58.326,73.623 58.479,73.623 ; 58.326,73.648 58.504,73.648 ; 58.326,73.674 58.504,73.674 ; 58.352,71.87 58.53,71.87 ; 58.352,71.896 58.504,71.896 ; 58.352,73.699 58.504,73.699 ; 58.352,73.725 58.504,73.725 ; 58.377,71.794 58.53,71.794 ; 58.377,71.82 58.53,71.82 ; 58.377,71.845 58.53,71.845 ; 58.377,73.75 58.53,73.75 ; 58.377,73.775 58.53,73.775 ; 58.377,73.801 58.53,73.801 ; 58.377,73.826 58.555,73.826 ; 58.403,71.693 58.58,71.693 ; 58.403,71.718 58.58,71.718 ; 58.403,71.743 58.555,71.743 ; 58.403,71.769 58.555,71.769 ; 58.403,73.852 58.555,73.852 ; 58.403,73.877 58.58,73.877 ; 58.403,73.902 58.58,73.902 ; 58.428,71.616 58.606,71.616 ; 58.428,71.642 58.606,71.642 ; 58.428,71.667 58.606,71.667 ; 58.428,73.928 58.58,73.928 ; 58.428,73.953 58.606,73.953 ; 58.428,73.979 58.606,73.979 ; 58.453,71.591 58.631,71.591 ; 58.453,74.004 58.631,74.004 ; 58.479,71.515 58.657,71.515 ; 58.479,71.54 58.631,71.54 ; 58.479,71.566 58.631,71.566 ; 58.479,74.029 58.631,74.029 ; 58.479,74.055 58.631,74.055 ; 58.479,74.08 58.657,74.08 ; 58.504,71.439 58.707,71.439 ; 58.504,71.464 58.682,71.464 ; 58.504,71.489 58.682,71.489 ; 58.504,74.106 58.682,74.106 ; 58.504,74.131 58.682,74.131 ; 58.53,71.413 58.707,71.413 ; 58.53,74.156 58.707,74.156 ; 58.53,74.182 58.707,74.182 ; 58.555,71.362 58.733,71.362 ; 58.555,71.388 58.733,71.388 ; 58.555,74.207 58.733,74.207 ; 58.555,74.233 58.733,74.233 ; 58.58,71.312 58.784,71.312 ; 58.58,71.337 58.733,71.337 ; 58.58,74.258 58.733,74.258 ; 58.58,74.283 58.758,74.283 ; 58.606,71.261 58.809,71.261 ; 58.606,71.286 58.784,71.286 ; 58.606,74.309 58.784,74.309 ; 58.606,74.334 58.784,74.334 ; 58.631,71.21 58.834,71.21 ; 58.631,71.235 58.809,71.235 ; 58.631,74.36 58.809,74.36 ; 58.631,74.385 58.809,74.385 ; 58.657,71.185 58.834,71.185 ; 58.657,74.41 58.834,74.41 ; 58.682,71.134 58.885,71.134 ; 58.682,71.159 58.86,71.159 ; 58.682,74.436 58.834,74.436 ; 58.682,74.461 58.885,74.461 ; 58.707,71.108 58.885,71.108 ; 58.707,72.302 58.834,72.302 ; 58.707,74.487 58.885,74.487 ; 58.733,71.032 58.936,71.032 ; 58.733,71.058 58.936,71.058 ; 58.733,71.083 58.911,71.083 ; 58.733,72.124 58.784,72.124 ; 58.733,72.15 58.911,72.15 ; 58.733,72.175 58.936,72.175 ; 58.733,72.201 58.809,72.201 ; 58.733,74.512 58.911,74.512 ; 58.733,74.537 58.911,74.537 ; 58.758,74.563 58.936,74.563 ; 58.784,70.981 58.987,70.981 ; 58.784,71.007 58.961,71.007 ; 58.784,71.997 59.012,71.997 ; 58.784,72.226 58.834,72.226 ; 58.784,72.328 58.911,72.328 ; 58.784,74.588 58.961,74.588 ; 58.784,74.614 58.987,74.614 ; 58.809,70.931 59.012,70.931 ; 58.809,70.956 59.012,70.956 ; 58.809,71.845 58.86,71.845 ; 58.809,71.87 58.885,71.87 ; 58.809,72.251 58.885,72.251 ; 58.809,74.639 58.987,74.639 ; 58.834,70.905 59.038,70.905 ; 58.834,71.896 58.936,71.896 ; 58.834,71.921 58.961,71.921 ; 58.834,71.947 58.885,71.947 ; 58.834,71.972 58.885,71.972 ; 58.834,72.277 58.885,72.277 ; 58.834,74.106 58.936,74.106